# Altium PCB 2016_BeaconIR_YahourtPhone.PCBDOC (part 1 of 2) (continued)
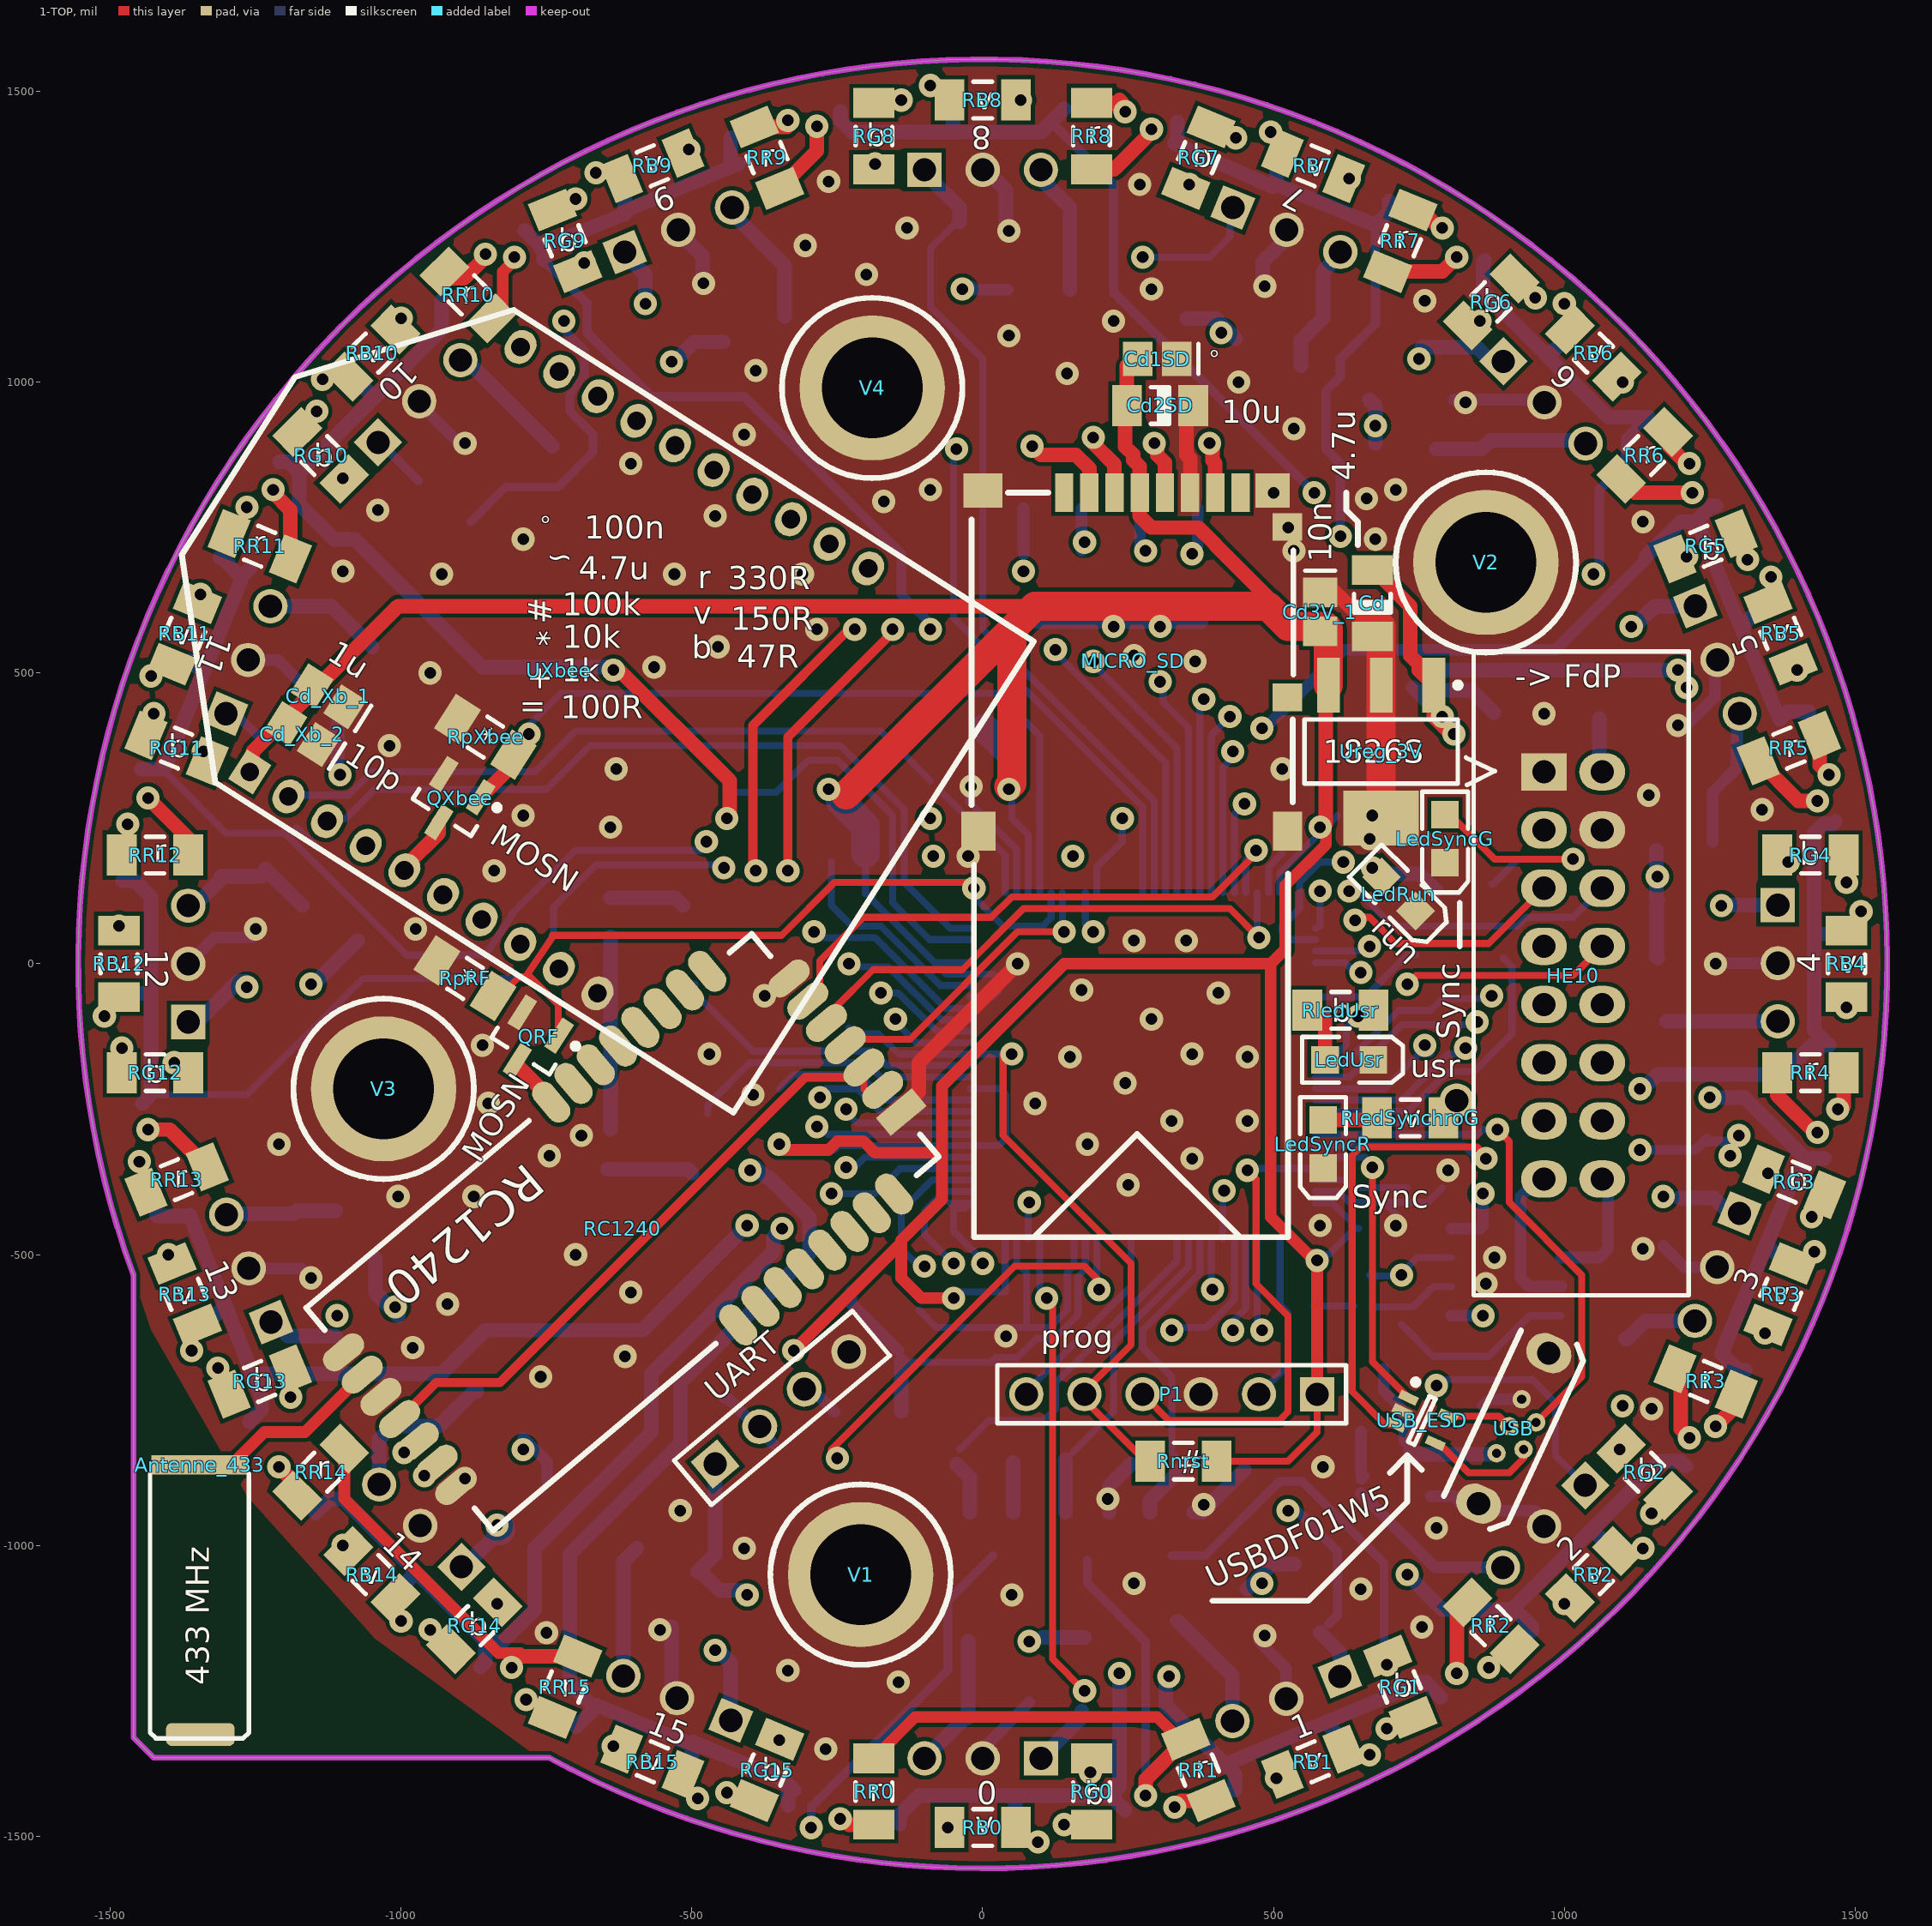
[diagram p0: 1-TOP view]
## Footprints (in the part's own frame and the unit in brackets; to place one, negate y for a bottom-side part, rotate by r counter-clockwise, add the part's x,y. Pads: shape width x height; smd on the part's side, far side on the other; paste and mask are expansions set on the pad) (continued)
  silkscreen extent -7.67,-6.25 6.25,6.82, body extent -7,-7 7,7, height 1.6
TSOP [mm]
  rect 1.5x1.5 hole 1.016: 1(0,0)
  round 1.5 hole 1.016: 2(2.54,0) 3(5.08,0)
  silkscreen extent -1.14,-3.81 6.22,1.27, body extent -0.46,-3.94 5.54,1.28, height 8.47
USB_MICROAB_VERTICAL [mm]
  round 0.8 hole 0.4: 1(-1.3,0) 2(-0.65,-1) 3(0,0) 4(0.65,-1) 5(1.3,0)
  oval 1.6x2 hole 1.016: 6(-3.625,-0.22) 6(3.625,-0.22)
  silkscreen extent -4.42,-1.73 4.48,1.3, body extent -5.23,-4.32 45.67,3.68, height 24.15

## Part data
Antenne_433: library part Resistor, "CAN4311129200431K"
C46 C47 C49 C50 Cd Cd0 Cd1 Cd1SD Cd2 Cd2SD Cd3 Cd4 Cd5 Cd6 Cd7 Cd8 Cd9 Cd_Xb_1 Cd_Xb_2 Cdcan1 Cdcan2 CdUsb Cnrst Cu1rx: library part Condensateur, "Capacitor"
Cd3V_1: library part Capacitor, "Capacitor"
Cf0 Cf1 Cf2 Cf3 Cf4 Cf5 Cf6 Cf7 Cf8 Cf9 Cf10 Cf11 Cf12 Cf13 Cf14 Cf15: library part CONDENSATEUR, "Capacitor"
DB0 DB1 DB2 DB3 DB4 DB5 DB6 DB7 DB8 DB9 DB10 DB11 DB12 DB13 DB14 DB15 DG0 DG1 DG2 DG3 DG4 DG5 DG6 DG7 DG8 DG9 DG10 DG11 DG12 DG13 DG14 DG15 DR0 DR1 DR2 DR3 DR4 DR5 DR6 DR7 DR8 DR9 DR10 DR11 DR12 DR13 DR14 DR15: "Typical LED"
Dz5V1: "Zener Diode"
LedRun LedSyncG LedSyncR LedUsr: library part LED, "Typical LED"
P1: library part "Header 6", "Header, 6-Pin"
Qb Qg Qr: library part "Transistor MOSFET-N", "N-Channel MOSFET"
QRF QXbee: "N-Channel MOSFET"
RB0 RB1 RB2 RB3 RB4 RB5 RB6 RB7 RB8 RB9 RB10 RB11 RB12 RB13 RB14 RB15 RdwnWAmI RG0 RG1 RG2 RG3 RG4 RG5 RG6 RG7 RG8 RG9 RG10 RG11 RG12 RG13 RG14 RG15 Rledrun RledSynchroG RledSynchroR RledUsr Rnrst Rp RpdB RpdG RpdR RpRF RpudCs RpudMiso RpudMosi RpudSck RpuU1rx RpuU1tx RpXbee RR0 RR1 RR2 RR3 RR4 RR5 RR6 RR7 RR8 RR9 RR10 RR11 RR12 RR13 RR14 RR15 RsdCS RsdMiso RsdMosi RsdSck Rsu1rx Rsu1tx RupWAmI: library part Resistor, "Resistor"
RC1240: "RC1240 - Radiocraft 433MHz Transceiver"
Rf0 Rf1 Rf2 Rf3 Rf4 Rf5 Rf6 Rf7 Rf8 Rf9 Rf10 Rf11 Rf12 Rf13 Rf14 Rf15 Rp0 Rp1 Rp2 Rp3 Rp4 Rp5 Rp6 Rp7 Rp8 Rp9 Rp10 Rp11 Rp12 Rp13 Rp14 Rp15: library part RESISTANCE, "Resistor"
STM32: "ARM Cortex-M4 32-bit MCU+FPU, 210 DMIPS, 1024 kB Flash, 192 kB Internal RAM, 82 I/Os, 100-pin LQFP, -40 to 85 degC, Tray"
Sync: library part "Point Test", "Point test"
TSOP0 TSOP1 TSOP2 TSOP3 TSOP4 TSOP5 TSOP6 TSOP7 TSOP8 TSOP9 TSOP10 TSOP11 TSOP12 TSOP13 TSOP14 TSOP15: library part BARRETTE3, "Header, 3-Pin"
UART: "Header, 4-Pin"
Ucan: "High-Speed CAN Transceiver, 8-Pin SOIC, Industrial Temperature"
Ureg_3V: "1000 mA, Low Voltage, Low Quiescent Current LDO Regulator, 3-Pin SOT-223, Extended Temperature"
USB: "Connector; USB; Type B; miniature; Pin Spacing=0.8mm"
USB_ESD: "USB protection ESD"
V1 V2 V3 V4: "Entretoise Wurth"
Y1: library part Quartz, "Crystal Oscillator"

## Free pads (board coordinates)
  rrect50% 118.11x39.37 smd: 0(-1345,-1325)
  round 20 on Top Overlay: 0(0,0)

## Via types
v1: diameter 40, hole 20, 1-TOP to 4-BOT, 347 vias

## Nets (pads, with @x,y where several pads share a name; then routed paths per layer and width w, separated by ;. In a path a pad name is that pad's centre, name@x,y a point inside that pad or via, vN(x,y) a via of type N, cw(c..) or ccw(c..) an arc to the next point about the centre after c; other vN are vias at no path point)
3V: HE10.3
3V3: Cd0.2 Cd1.2 Cd1SD.2 Cd2.2 Cd2SD.2 Cd3.2 Cd3V_1.2 Cd4.2 Cd5.2 Cd6.2 Cd7.2 Cd8.2 Cd9.2 Cd_Xb_1.2 Cd_Xb_2.2 MICRO_SD.4 P1.1 Rnrst.2 RpudCs.1 RpudMiso.2 RpudMosi.1 RpudSck.2 RpuU1rx.2 RpuU1tx.2 RupWAmI.2 STM32.6 STM32.11 STM32.19 STM32.21 STM32.22 STM32.28 STM32.50 STM32.75 STM32.100 Ureg_3V.3 UXbee.1 | length 8840.3
  1-TOP w12: Rnrst.2@402.09,-855 525,-855 575,-805 P1.1@575,-755
  1-TOP w20: v1@-345,-320 -265,-320 -250,-305 -205,-305 -185,-325 -70,-325 ; v1(-325,-665) -140,-480 -140,-540 ; v1(-50,-575) -105,-575 -140,-540 ; P1.1@575,-735 575,-500 560,-500 495,-435 495,0 ; v1@590,240 590,205 520,135 520,25 495,0 ; -140,-540 -140,-475 -70,-405 -70,-325 ; -70,-325 -70,-210 140,0 495,0
  1-TOP w25: UXbee.1@-1255,335 -1255,365 -1005,615 90,615 ; Cd2SD.2@245,945 245,889.14 258.61,875.52 258.61,866.39 269.92,855.08 MICRO_SD.4@269.92,810 269.92,769.92 289.84,750 370.86,750 399.5,721.36 399.5,720.5 515,605 ; Cd2SD.2@247.91,960 247.91,1027.91 Cd1SD.2@260,1040 ; v1@590,240 Ureg_3V.3@590,455
  1-TOP w50: -235,290 50,575 ; v1@45,305 50,310 50,575 ; Ureg_3V.3@594.45,479.17 594.45,575.55 590,580 525,580 490,615 90,615 50,575
  4-BOT w12: v1(-350,-310) Cd8.2@-347.2,-312.8 ; Cd8.2@-345,-310 -335,-320 -255,-320 -247.8,-312.8 STM32.6@-22.24,-312.8 27.2,-312.8 40,-300 40,-225 29.37,-214.37 STM32.11@-22.24,-214.37 ; Cd6.2@-201.54,120 -201.54,173.46 Cd0.2@-200,175 ; Cd6.2@-190,120 -190,110 -62.48,-17.52 STM32.21@-22.24,-17.52 17.52,-17.52 26.19,-26.19 26.19,-48.81 18.11,-56.89 STM32.19@-22.24,-56.89 ; -77.17,2.17 STM32.22@-22.24,2.17 ; Cd1.2@-45,-565 -43.78,-563.78 38.78,-563.78 STM32.100@38.78,-472.24 ; Cd7.2@50,305 50,250 78.15,221.85 STM32.28@78.15,122.24 ; STM32.50@511.22,122.24 511.22,156.22 Cd3.2@610,255 ; STM32.75@572.24,-411.22 601.22,-411.22 Cd5.2@635,-445 ; Cd4.2@575,-500 595,-500 640,-455 Cd5.2@646.54,-455
  4-BOT w25: RpudCs.1@85,595 92.09,587.91 RpudSck.2@275,587.91 RpudMiso.2@375,587.91
  4-BOT w50: RupWAmI.2@-245,280 -201.54,236.54 Cd0.2@-201.54,190 ; Cd2.2@3.46,405 50,360
  other v1: 575,-510 580,235 -265,300 45,300 225,580 305,580
5V: Cd.2 Cdcan1.2 Cdcan2.2 CdUsb.1 Dz5V1.2 RC1240.12 RC1240.13 Rf0.1 Rf1.1 Rf2.1 Rf3.1 Rf4.1 Rf5.1 Rf6.1 Rf7.1 Rf8.1 Rf9.1 Rf10.1 Rf11.1 Rf12.1 Rf13.1 Rf14.1 Rf15.1 Rp0.1 Rp1.1 Rp2.1 Rp3.1 Rp4.1 Rp5.1 Rp6.1 Rp7.1 Rp8.1 Rp9.1 Rp10.1 Rp11.1 Rp12.1 Rp13.1 Rp14.1 Rp15.1 Rp.2 UART.1 Ucan.3 Ureg_3V.1 USB.1 | length 13435.2
  1-TOP w25: Cd.2@675,675 735,615 735,530 750,515 750,504.72 Ureg_3V.1@775.55,479.17 775.55,424.45 v1@805,395
  3-GND w12: -1305,215 -1205,215 -1184.71,221.18 -1136.26,312.01 v1@-1110,320 ; USB.1@885,-850 940,-905 960,-905
  3-GND w15: -1310,-115 -1285,-90 -1190,-90 -1155,-55 ; -1301.76,218.66 ccw(c0,0) v1@-718.14,1107.55 ; -1120,-695 v1@-1005,-580 ; -900,-955 v1@-785,-840 ; -655,1140 v1@-540,1025 ; -400,-1255 v1@-400,-1090 ; v1(-35,1160) -35,1315 ; 90,-1315 v1@90,-1150 ; v1@405,1085 405,1170 465,1230 ; v1@485,-1060 600,-1175 ; v1@680,925 730,925 825,1020 ; v1@1165,150 1310,150
  3-GND w16: v1(720,-535) 790,-535 905,-420 905,-340 925,-320 v1@1125,-320
  4-BOT w12: -709.59,975.41 -685,1015 ; Cdcan1.2@665,-535 666.54,-536.54 Cdcan2.2@715,-536.54 746.54,-505 Ucan.3@805.51,-505
  4-BOT w15: Rp10.1@-880,760 Rf10.1@-820.37,819.63 -730.37,819.63 -670,880 -670,910 -710,950 -710,978.33 ; v1(-720,1105) -720,1090 -684.61,1054.61 -684.61,1011.15
  4-BOT w16: v1(1130,-320) 1225,-320 Rp3.1@1245,-300 ; Rp3.1@1245,-305 v1@1290,-305
  4-BOT w20: Rf14.1@-790,-815 -748.63,-856.37 Rp14.1@-748.63,-889.63 ; Rp8.1@-20,1165 -14,1159 Rf8.1@42.91,1159 ; Rf2.1@689.52,-696.36 689.52,-734.52 725,-770 Rp2.1@725,-820
  4-BOT w25: Rp12.1@-1140,-25 Rf12.1@-1075,40 ; Rp11.1@-1109.26,351.15 -1109.26,410.74 Rf11.1@-1080,440 ; Rf13.1@-1044.15,-505.74 -1044.15,-565.85 Rp13.1@-1005,-605 ; Rp9.1@-530,1035 -495.85,1069.15 Rf9.1@-445.74,1069.15 ; Rf15.1@-490,-1045 -460,-1015 UART.1@-460,-860 ; Rf15.1@-485,-1045 -452.74,-1077.26 Rp15.1@-413.15,-1077.26 ; Rf0.1@102.09,-1157.91 Rp0.1@175,-1157.91 ; Rp7.1@351.15,1109.26 400.74,1109.26 Rf7.1@435,1075 ; Rf1.1@455,-1075 497.74,-1032.26 Rp1.1@536.15,-1032.26 ; Rp6.1@664.63,969.63 675,959.27 Rf6.1@675,895 ; Rp2.1@735,-835 743.64,-843.64 883.64,-843.64 USB.1@885,-845 ; Dz5V1.2@740,475 v1@815,400 ; Dz5V1.2@755,505 v1(1195,505) ; Dz5V1.2@760,470 840.71,470 Rp.2@878.9,431.81 ; Rf5.1@1157.91,195 1157.91,112.09 Rp4.1@1160,110 ; Rp4.1@1158.91,100 1158.91,11.09 Rf4.1@1160,10
  other v1: 80,-1165 -405,-1085 480,-1065 -960,-880 -995,-840 -790,-835 1100,-760 -1010,-590 1285,-330 1300,-295 -1155,-35 1160,150 -1105,325 810,395 790,425 1210,475 675,925 -535,1035 410,1085
5VIN: HE10.2 Rp.1 | length 83.9
  4-BOT w25: Rp.1@1060,421.81 1060,345 HE10.2@1065,340
ANTENNA: Antenne_433.1 RC1240.9 | length 290.7
  1-TOP w20: Antenne_433.1@-1292.5,-862.5 -1235,-805 -1165,-805 -1076.17,-716.17 -1076.17,-715.71 RC1240.9@-1066.74,-706.28
BLUEGND: Qb.3 RB0.1 RB1.1 RB2.1 RB3.1 RB4.1 RB5.1 RB6.1 RB7.1 RB8.1 RB9.1 RB10.1 RB11.1 RB12.1 RB13.1 RB14.1 RB15.1 | length 10204.2
  3-GND w15: v1@105.79,-1526.34 cw(c0,0) 111.9,-1525.9
  4-BOT w15: v1(-295,-1485) -295,-1450 -60,-1215 -60,-1095 Qb.3@17.6,-1017.4
  other v1: 95,-1510 -490,-1435 665,-1360 -1000,-1130 1135,-1005 -1360,-665 1430,-495 -1510,-90 1510,90 -1430,495 1355,665 -1135,1005 1000,1135 -665,1360 495,1430 -90,1510
CANH: HE10.15 Ucan.7 | length 251.1
  4-BOT w20: HE10.15@950,-375 925,-400 925,-540 940,-555 Ucan.7@994.49,-555
CANL: HE10.16 Ucan.6 | length 196.7
  4-BOT w20: Ucan.6@994.49,-505 1060,-505 1075,-490 HE10.16@1075,-380
GND: C46.1 C47.1 C49.1 C50.1 Cd0.1 Cd1.1 Cd1SD.1 Cd2.1 Cd2SD.1 Cd3.1 Cd3V_1.1 Cd4.1 Cd5.1 Cd6.1 Cd7.1 Cd8.1 Cd9.1 Cd.1 Cd_Xb_1.1 Cd_Xb_2.1 Cdcan1.1 Cdcan2.1 CdUsb.2 Cf0.1 Cf1.1 Cf2.1 Cf3.1 Cf4.1 Cf5.1 Cf6.1 Cf7.1 Cf8.1 Cf9.1 Cf10.1 Cf11.1 Cf12.1 Cf13.1 Cf14.1 Cf15.1 Cnrst.1 Cu1rx.1 Dz5V1.1 HE10.1 HE10.4 LedRun.2 LedSyncG.2 LedSyncR.2 LedUsr.2 MICRO_SD.0 MICRO_SD.6 MICRO_SD.9 P1.3 Qb.2 Qg.2 Qr.2 QRF.2 QXbee.2 RC1240.1 RC1240.7 RC1240.8 RC1240.10 RC1240.14 RdwnWAmI.1 RpdB.1 RpdG.1 RpdR.1 RpRF.2 RpXbee.2 STM32.10 STM32.20 STM32.27 STM32.74 STM32.94 STM32.99 TSOP0.2 TSOP1.2 TSOP2.2 TSOP3.2 TSOP4.2 TSOP5.2 TSOP6.2 TSOP7.2 TSOP8.2 TSOP9.2 TSOP10.2 TSOP11.2 TSOP12.2 TSOP13.2 TSOP14.2 TSOP15.2 UART.4 Ucan.2 Ucan.8 Ureg_3V.2 Ureg_3V.4 USB.5 USB.6 USB_ESD.2 UXbee.10 V1.1 V2.1 V3.1 V4.1 | length 5882.6
  1-TOP w25: RC1240.1@-140,-255 -140,-250 -110,-220 -110,-170 v1@62.5,2.5 ; Cd2SD.1@350,945 350,875 356.54,868.46 MICRO_SD.6@356.54,810 ; Cd3V_1.1@605,640 645,600 665,600
  1-TOP w50: 665,600 685,580 Ureg_3V.2@685,479.17 Ureg_3V.4@685,265
  4-BOT w12: -1180,235 -1145,200 ; Cd8.1@-350,-215 -325,-190 -213.13,-190 -169.07,-234.06 STM32.10@-22.24,-234.06 ; Cd0.1@-260,175 -260,100 -225,65 -175,65 -72.8,-37.2 STM32.20@-22.24,-37.2 ; Cu1rx.1@-110,-595 -80,-625 75,-625 ; Cd7.1@-25,310 -25,280 58.46,196.54 STM32.27@58.46,122.24 ; STM32.99@58.46,-472.24 58.46,-513.46 75,-530 75,-625 ; STM32.94@156.89,-472.24 156.89,-518.11 145,-530 145,-595 115,-625 75,-625 ; Cd4.1@570,-588.46 Cdcan1.1@638.46,-588.46 ; STM32.74@572.24,-391.54 611.54,-391.54 630,-410 690,-410 ; Cdcan1.1@670,-590 740,-590 775,-555 Ucan.2@805.51,-555 ; Cd5.1@715,-435 690,-410 ; Cdcan2.1@720,-620 775,-675 870,-675 940,-605 Ucan.8@994.49,-605 ; C50.1@790,-385 765,-410 690,-410
  4-BOT w20: TSOP12.2@-1366,0 -1321,45 Cf12.1@-1255,45 ; TSOP11.2@-1262.95,522.4 -1212.4,522.4 Cf11.1@-1170,480 ; TSOP13.2@-1261.9,-523.66 -1171.34,-523.66 Cf13.1@-1150,-545 ; TSOP10.2@-968.78,967.18 -968.78,963.78 Cf10.1@-895,890 ; TSOP0.2@0,-1366 0,-1350 Cf0.1@80,-1270 ; Cf1.1@475,-1165 521.8,-1211.8 TSOP1.2@521.8,-1263.59 ; Cf2.1@770,-915 810,-915 835,-940 950,-940 965.12,-955.12 TSOP2.2@965.12,-967.22 ; 810,970 960.87,970 TSOP6.2@965.75,965.12 ; CdUsb.2@860,-760 871.39,-748.61 USB.5@926.63,-748.61 ; Cf3.1@1170,-485 1206.51,-521.51 TSOP3.2@1262.78,-521.51 ; Cf5.1@1210,410 1258.42,458.42 TSOP5.2@1258.42,522.09 ; Cf4.1@1256,1 TSOP4.2@1367,1
  4-BOT w25: C46.1@-640,-285 C47.1@-640,46.54 ; Cf15.1@-535,-1140 -535,-1252.99 TSOP15.2@-525.49,-1262.5 ; TSOP9.2@-520,1255 -481.74,1216.74 Cf9.1@-481.74,1163.15 ; TSOP8.2@10,1360 39.91,1330.09 Cf8.1@39.91,1254 ; Qb.2@52.4,-942.6 RpdB.1@52.4,-857.6 ; Qr.2@217.4,-942.6 217.4,-897.6 RpdR.1@255,-860 ; Qg.2@362.4,-942.6 377.4,-942.6 RpdG.1@450,-870 ; Cf7.1@481.26,1162.85 481.26,1206.26 TSOP7.2@520,1245
  other v1: -270,-1350 -145,-1235 -335,-1215 485,-1155 -750,-1150 -555,-1145 755,-1140 50,-1085 650,-1075 260,-1065 -410,-1005 780,-970 -520,-940 380,-930 215,-920 -890,-885 585,-865 1150,-765 -760,-710 -615,-675 -980,-660 40,-640 -920,-585 -605,-565 865,-550 -1155,-540 880,-505 -700,-500 1135,-490 580,-450 710,-450 -1005,-400 -875,-400 250,-380 800,-355 360,-335 -745,-330 -1210,-310 180,-310 -690,-295 325,-270 455,-270 -850,-240 90,-240 -395,-225 245,-205 150,-160 455,-160 -470,-155 360,-155 -860,-140 290,-95 -375,-55 405,-50 170,-45 60,0 1260,0 260,40 350,40 -1250,60 -975,60 -840,160 -25,185 665,215 -640,235 -790,255 670,255 1340,265 1145,290 -20,305 -630,335 515,335 -1020,375 1195,410 965,430 -950,500 -565,510 365,520 260,530 -455,545 -285,575 -930,670 -530,670 -310,670 -1100,675 535,710 -790,730 675,730 525,750 1135,760 -460,770 -1040,780 -170,795 660,800 500,810 -90,815 710,815 -605,860 -890,895 -410,910 535,920 830,965 440,1000 145,1015 -390,1020 45,1080 225,1105 760,1140 290,1160 485,1165 -480,1170 -200,1185 -305,1235 45,1260 -130,1265 270,1340 -265,1345
GREENGND: Qg.3 RG0.1 RG1.1 RG2.1 RG3.1 RG4.1 RG5.1 RG6.1 RG7.1 RG8.1 RG9.1 RG10.1 RG11.1 RG12.1 RG13.1 RG14.1 RG15.1 | length 9845.5
  3-GND w15: -1375.85,351.35 cw(c0,0) -1369.5,375.31 ; -1362.75,399.15 ccw(c0,0) -1369.5,375.31 ; v1@-1345,370 -1350.31,375.31 -1369.5,375.31 ; -1120,865 -1120,855 v1(-1100,835) ; -860,-1125 -850,-1115 v1@-850,-1105 ; v1@-690,1220 -690,1240 ; -365,-1375 -365,-1360 v1@-355,-1350 ; v1@-185,1380 -185,1400 ; v1@189.63,-1407.28 cw(c0,0) v1@195.21,-1406.52 ; v1@355,1350 355,1370 ; v1@705,-1215 715,-1225 ; v1@1105,-845 1120,-860 1125,-860
  4-BOT w15: Qg.3@325,-1017.4 382.6,-1017.4 510,-890 550,-890 690,-1030 v1@690,-1215
  other v1: 185,-1390 -350,-1335 695,-1205 -835,-1100 1095,-835 -1190,-745 1350,-360 -1390,-170 1385,175 -1340,365 1210,700 855,1105 -685,1205 355,1340 -185,1375
LEDS0: DB0.1 DG0.1 DR0.1 STM32.15 | length 2203.4
  3-GND w16: v1@-145,-95 -145,-350 -275,-480 -275,-550 -145,-680 -145,-835 v1@230,-1210
  4-BOT w12: v1@-150,-100 -114.37,-135.63 STM32.15@-22.24,-135.63
  4-BOT w25: DR0.1@-143.26,-1478.68 -143.26,-1463.26 -110,-1430 220,-1430 ; DB0.1@56.18,-1485 56.18,-1436.18 ; v1@235,-1230 235,-1415 220,-1430 ; DG0.1@245,-1455 220,-1430
  other v1: 235,-1220 -150,-95
LEDS1: DB1.1 DG1.1 DR1.1 STM32.16 | length 2364.4
  3-GND w16: v1@-170,-50 -145,-50 -115,-80 -115,-352.53 -252,-489.53 -252,-538 -115,-675 -115,-805 300,-1220 v1@315,-1220
  4-BOT w12: v1@-165,-50 -145,-50 -79.06,-115.94 STM32.16@-22.24,-115.94
  4-BOT w25: v1@315,-1235 315,-1275 433.44,-1393.44 DR1.1@433.44,-1420.75 ; 420,-1375 592.11,-1303.08 755,-1235 ; 595,-1310 615.29,-1330.29 DB1.1@615.29,-1352.41 ; 760,-1235 761.91,-1235 DG1.1@787.32,-1260.41
  other v1: 320,-1225 -175,-50
LEDS2: DB2.1 DG2.1 DR2.1 STM32.17 | length 2861.1
  3-GND w16: v1@-220,0 -120,0 -90,-30 -90,-360.05 -215,-485.05 -215,-540 -89.49,-665.51 -89.49,-780.51 145,-1015 690,-1015 v1@725,-1050
  4-BOT w12: v1@-230,-5 -161.87,-5 -70.61,-96.26 STM32.17@-22.24,-96.26
  4-BOT w25: v1@735,-1055 790,-1110 915,-1110 944.6,-1139.6 DR2.1@944.6,-1146.84 ; 915,-1105 1160,-860 ; 1055,-980 1086.19,-1011.19 DB2.1@1086.19,-1013.81 ; 1165,-855 1199.14,-855 1207.53,-863.4 DG2.1@1209.16,-863.4
  other v1: 730,-1050 -230,0
LEDS3: DB3.1 DG3.1 DR3.1 STM32.18 | length 3978
  3-GND w15: 1037.14,-750.16 ccw(c0,0) v1@1258.7,-232.53
  3-GND w16: v1@-285,55 -142.47,55 -65,-22.47 -65,-370.58 -165,-470.58 -165,-555 -55,-665 -55,-775 150,-980 640,-980 912.5,-707.5 ; 915,-705 1035,-750
  4-BOT w12: v1@-285,50 -280,45 -185,45 -63.43,-76.57 STM32.18@-22.24,-76.57
  4-BOT w25: v1@1260,-230 1310,-230 1414.56,-334.56 1420.44,-334.56 ; DR3.1@1311.59,-698.68 1298.68,-698.68 1270,-670 1346.88,-483.71 1400,-355 1420.44,-334.56 ; 1350,-485 1385.71,-520.71 DB3.1@1391.59,-520.71 ; DG3.1@1447.25,-334.56 1420.44,-334.56
  other v1: 1250,-230 -290,55
LEDS4: DB4.1 DG4.1 DR4.1 STM32.33 | length 2011.6
  3-GND w16: v1@195,60 215,80 370,80 745,-295 825,-295 900,-220 v1@1120,-220
  4-BOT w12: STM32.33@176.57,122.24 176.57,68.43 v1(190,55)
  4-BOT w25: v1@1135,-215 1160,-190 1375,-190 1425,-140 1455,-140 1429.5,-114.5 1429.5,224.5 1445.5,240.5 1461.08,240.5 DG4.1@1465.32,244.74 ; 1436.18,51.18 DB4.1@1485,51.18
  other v1: 1130,-215
LEDS5: DB5.1 DG5.1 DR5.1 STM32.34 | length 1978.7
  3-GND w16: v1@235,240 470,240 500,270 500,280 475,305 475,395 v1@485,405
  4-BOT w12: STM32.34@196.26,122.24 196.26,166.26 240,210 v1(240,250)
  4-BOT w20: v1@488.66,408.66 620,540 985,540 1140,695 1140,700
  4-BOT w25: 1140,700 1200,760 1225,760 1235.5,770.5 1236.36,770.5 1253.19,787.32 DG5.1@1260.41,787.32 ; 1230,755 1302.38,581.81 1370,420 1383.44,433.44 DR5.1@1420.75,433.44 ; 1310,585 1340.29,615.29 DB5.1@1352.41,615.29
  other v1: 480,405
LEDS6: DB6.1 DG6.1 DR6.1 STM32.63 | length 1917.9
  3-GND w20: v1@875,-50 875,10 900,35 900,500 v1@1060,660
  4-BOT w12: STM32.63@572.24,-175 620,-175 715,-80 770,-80 790,-60 v1@870,-60
  4-BOT w16: v1@1060,665 1060,815 1105,860 1105,902.76 DR6.1@1146.84,944.6
  4-BOT w25: DG6.1@863.4,1209.16 860.02,1205.78 860.02,1155.84 1075.86,940 DR6.1@1135,940 ; 977.62,1050 DB6.1@1013.81,1086.19
  other v1: 875,-55 1050,670
LEDS7: DB7.1 DG7.1 DR7.1 STM32.64 | length 2349.2
  3-GND w20: v1(615,735) 615,666.82 865,416.82 865,60 835,30 835,-85 v1(850,-100)
  4-BOT w12: STM32.64@572.24,-194.69 630.32,-194.69 720,-105 v1@840,-105
  4-BOT w16: v1(615,735) 615,860 590,885 590,985 615,1010 615,1040 675,1100 675,1270
  4-BOT w25: 329.56,1410.44 498.24,1335.72 ; 334.56,1415.44 DG7.1@334.56,1447.25 ; 503.24,1340.72 675,1270 698.68,1293.68 DR7.1@698.68,1311.59 ; 505,1345 505,1375.87 DB7.1@520.71,1391.59
LEDS8: DB8.1 DG8.1 DR8.1 STM32.65 | length 2559.2
  3-GND w20: v1@570,805 575,800 575,655 750,480 750,380 805,325 805,-50 775,-80 v1@775,-140
  4-BOT w12: STM32.65@572.24,-214.37 690.63,-214.37 750,-155 v1@770,-155
  4-BOT w16: 117.5,1447.5 225,1340 225,1155 v1@560,820
  4-BOT w25: DG8.1@-244.74,1465.32 -244.74,1449.74 -225,1430 100,1430 117.5,1447.5 DR8.1@140,1470 ; -51.18,1438.82 DB8.1@-51.18,1485
  other v1: 760,-140 570,810
LEDS9: DB9.1 DG9.1 DR9.1 STM32.66 | length 3655.3
  3-GND w15: v1@-92.5,582.5 115,790 395,790 715,470 715,370 775,310 775,-40 705,-110 705,-160 730,-185 795,-185 v1@825,-155
  4-BOT w12: STM32.66@572.24,-234.06 720.94,-234.06 800,-155 v1@820,-155
  4-BOT w16: -755,1210 -680,1135 -680,1085 -570,975 -410,975 -140,705 -140,635 v1@-95,590
  4-BOT w25: DG9.1@-787.32,1260.41 -755,1228.09 -755,1210 ; -760,1230 -613.28,1290.41 ; -615.29,1300.29 DB9.1@-615.29,1352.41 ; -613.28,1295.41 -434.59,1368.99 -420,1375 ; -435,1370 -433.44,1371.56 DR9.1@-433.44,1420.75
  other v1: 830,-145 -90,575